# Altium PCB PCB2.PcbDoc
Units mil, origin at the board's own origin, x right, y up, seen from the top; angles counter-clockwise.
Board outline 2125 x 1100 mil, 2 copper layers (Top Layer, Bottom Layer); 11 components, 11 nets, 38 pads, 0 vias.
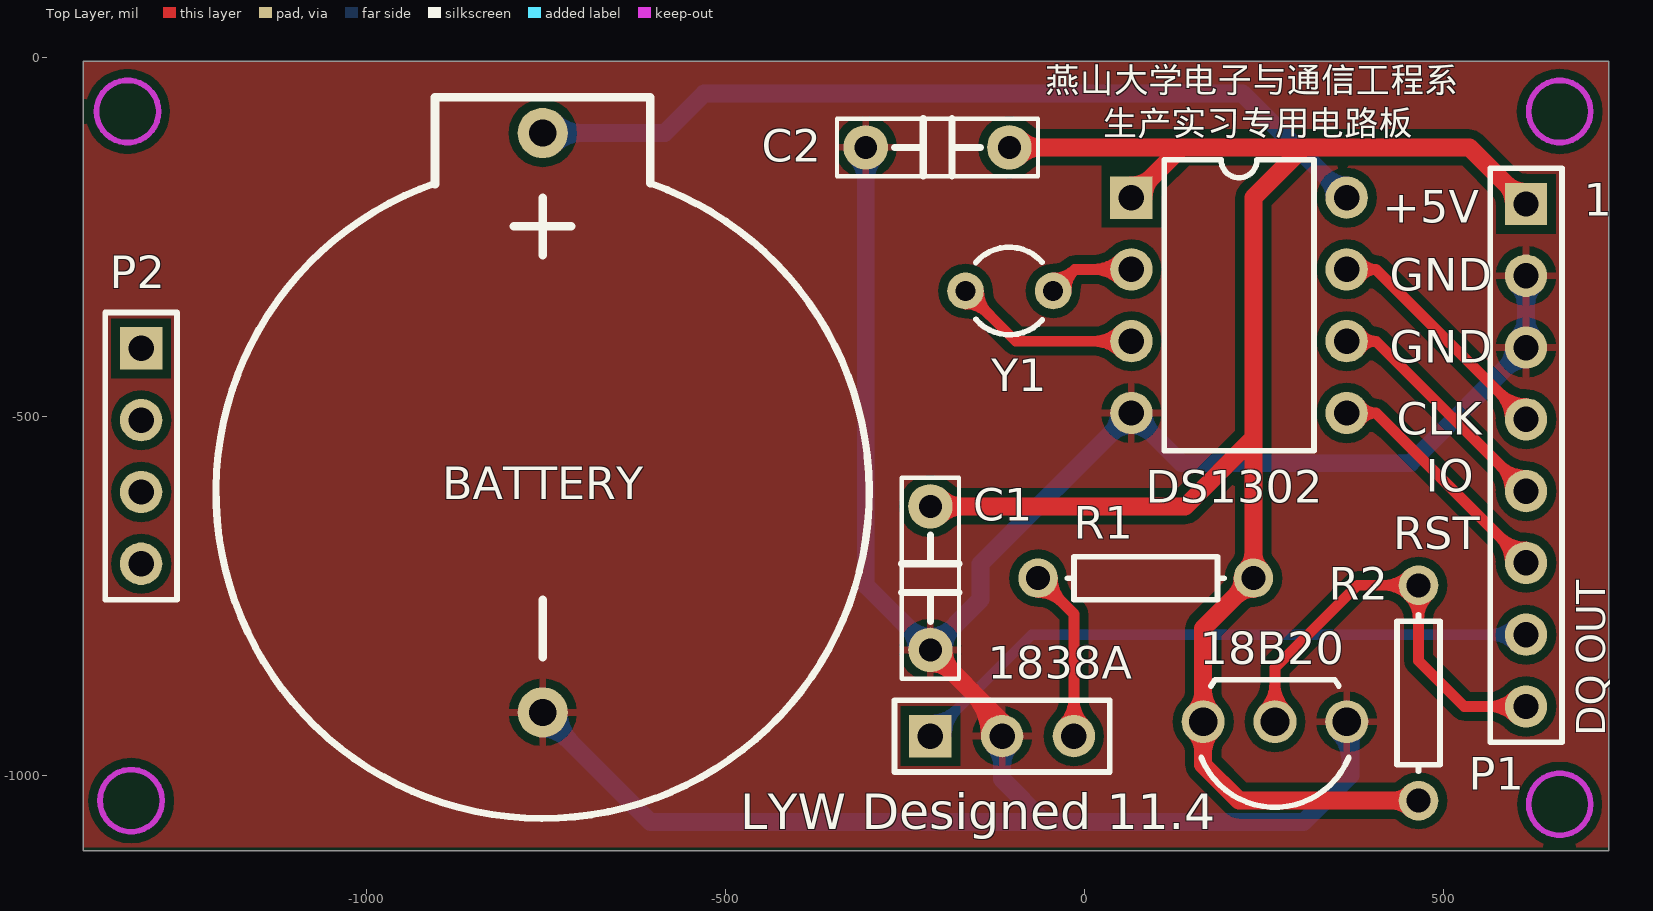
[diagram p0: Top Layer view]
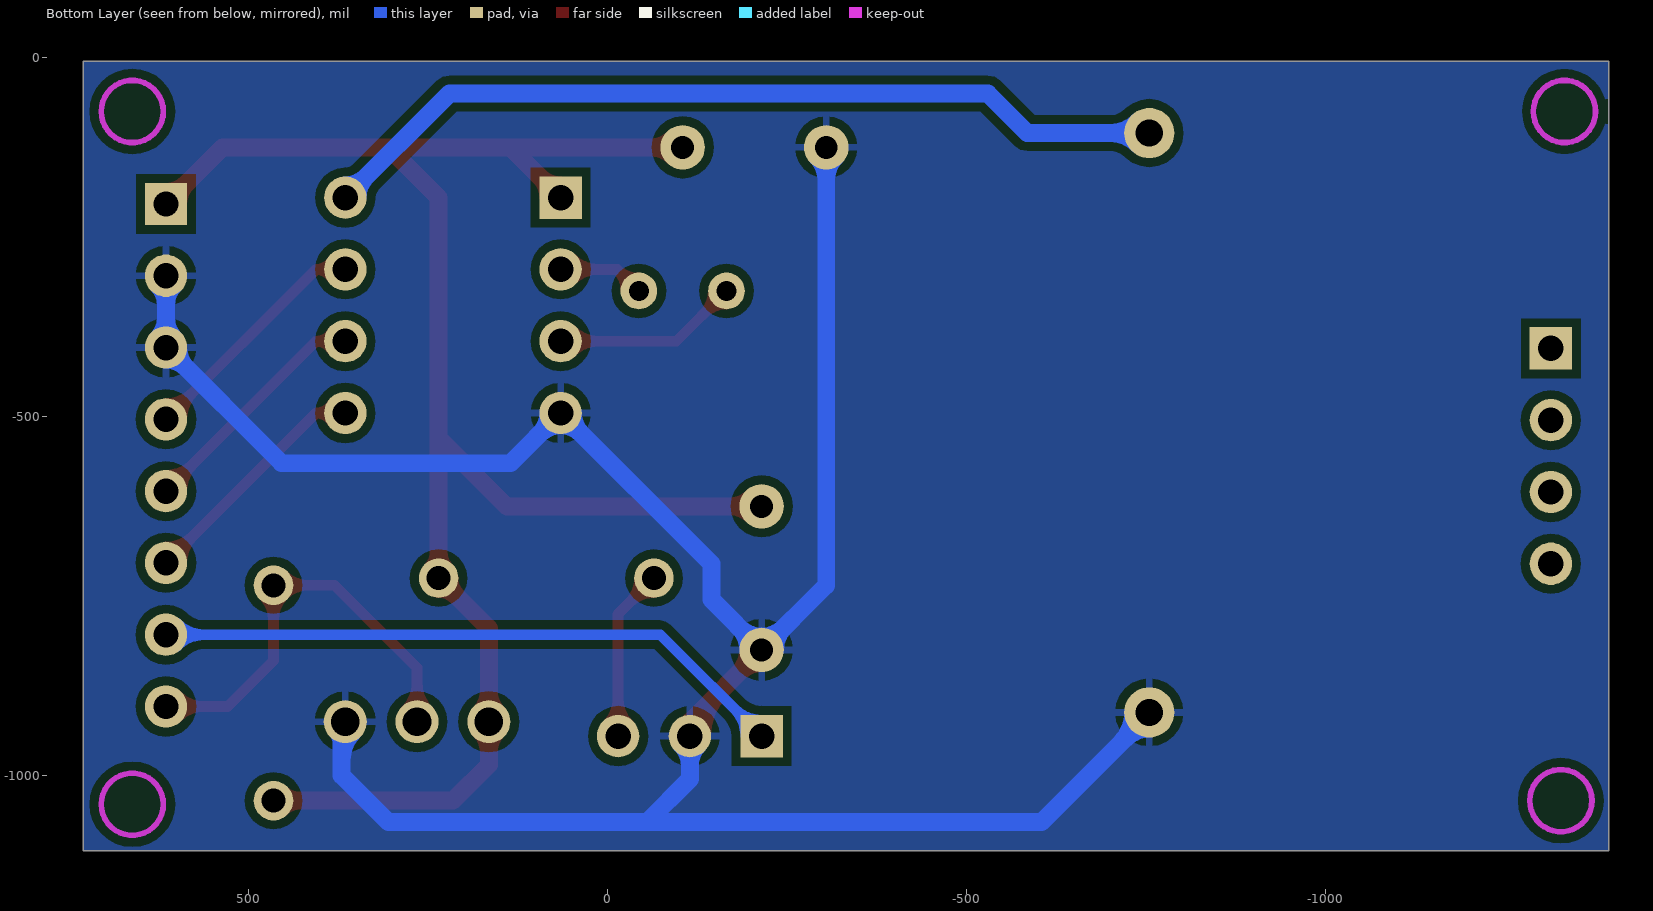
[diagram p1: Bottom Layer view, seen from below]

## Layer stack, top to bottom
Top Layer: signal copper 1.4
Dielectric: dielectric 12.6, FR-4, Dk 4.8
Bottom Layer: signal copper 1.4

## Board outline
-1395,-1105 730,-1105 730,-5 -1395,-5

## Design rules (kind name [scope] priority, off if disabled: settings)
Clearance [All] p1: gap=12
ComponentClearance [All] p1 off: gap=10 collisioncheckmode=3 verticalgap=10 showdistances=FALSE
PolygonConnect [All] p1: connectstyle=Relief reliefconductorwidth=10 reliefentries=4 polygonreliefangle="90 Angle"
RoomDefinition SHEET1 [InComponentClass('SHEET1')] p1 off: confinementstyle=ConfineIn formatcopy=TRUE lockcomponents=FALSE outline 865,-1025 1215,-1025 1215,-775 865,-775
RoutingVias [All] p1: holewidth=16 width=30 viastyle="Through Hole" minholewidth=16 minwidth=30 maxholewidth=28 maxwidth=50
SilkscreenOverComponentPads [All] p1: minsilkscreentomaskgap=1
SolderMaskExpansion [All] p1: expansion=4
TestPointUsage FabricationTestPointUsage [All] p1: valid=0 allowmultiple=FALSE
Testpoint FabricationTestpoint [All] p1: side=3 testpointundercomponent=TRUE minsize=40 maxsize=100 preferedsize=60 minholesize=0 maxholesize=40 preferedholesize=32 testpointgrid=1 style=297 order=0123456789
Width Width_1 [InNet('GND')] p1: maxlimit=25 minlimit=10 preferedwidth=25
Width [All] p2: maxlimit=50 minlimit=15 preferedwidth=15
22 further rules are at their usual default settings.

## Components (designator, comment, footprint, x,y, rotation, side; value= is the part's Value field where it differs from the comment)
18B20 "DALLAS IC" TO92C 365,-925 r270 top (schematic designator DS18B20)
1838A "TL1838A" DIP3_HT -215,-945 r0 top (schematic designator TL1838A)
BATTERY "3.6V" POW1_HT -755,-505 r90 top (schematic designator battery)
C1 "CAP" CAP2A_DQ -215,-625 r270 top
C2 "CAP" CAP2A_DQ -105,-125 r180 top
DS1302 "DS1302N" DIP8 215,-345 r270 top
P1 "Header 8" HDR1X8 614.76,-203.82 r270 top
P2 "Header 4" HDR1X4 -1314.37,-405 r270 top
R1 "Resister" AXIAL-0.3 85,-725 r180 top
R2 "Resister" AXIAL-0.3 465,-885 r270 top
Y1 "32.768KHz" BCY-W2/D3.1 -105,-325 r270 top

## Footprints (in the part's own frame and the unit in brackets; to place one, negate y for a bottom-side part, rotate by r counter-clockwise, add the part's x,y. Pads: shape width x height; smd on the part's side, far side on the other; paste and mask are expansions set on the pad)
AXIAL-0.3 [mm] "Axial Device, Thru-Hole; 2 Leads; 0.3 in Pin Spacing"
  round 1.4 hole 0.85: 1(-3.81,0) 2(3.81,0)
  silkscreen extent -2.77,-0.76 2.77,0.76
BCY-W2/D3.1 [mm] "Crystal, Thru-Hole; 2 Leads; Body 3.1 x 8.2 mm (Dia.xH)"
  round 1.3 hole 0.7: 1(0,1.55) 2(0,-1.55)
  silkscreen extent -1.55,-1.19 1.55,1.17
CAP2A_DQ [mil]
  round 62 hole 32: 1(0,0) 2(200,0)
  silkscreen extent -40,-40 240,40
DIP3_HT [mm]
  rect 1.5x1.5 hole 0.9: 1(0,0)
  round 1.5 hole 0.9: 2(2.54,0) 3(5.08,0)
  silkscreen extent -1.27,-1.27 6.35,1.27
DIP8 [mm] "DIP; 8 Leads; Row Spacing 7.62 mm; Pitch 2.54 mm"
  rect 1.5x1.5 hole 0.9: 1(-3.81,-3.81)
  round 1.5 hole 0.9: 2(-1.27,-3.81) 3(1.27,-3.81) 4(3.81,-3.81) 5(3.81,3.81) 6(1.27,3.81) 7(-1.27,3.81) 8(-3.81,3.81)
  silkscreen extent -5.15,-2.65 5.15,2.65
HDR1X4 [mm] "Connector; Header; 4 Position"
  rect 1.5x1.5 hole 0.9: 1(0,0)
  round 1.5 hole 0.9: 2(2.54,0) 3(5.08,0) 4(7.62,0)
  silkscreen extent -1.27,-1.27 8.89,1.27
HDR1X8 [mm] "Connector; Header; 8 Position"
  rect 1.5x1.5 hole 0.9: 1(0,0)
  round 1.5 hole 0.9: 2(2.54,0) 3(5.08,0) 4(7.62,0) 5(10.16,0) 6(12.7,0) 7(15.24,0) 8(17.78,0)
  silkscreen extent -1.27,-1.27 19.05,1.27
POW1_HT [mil]
  round 70 hole 38: 1(400,0) 2(-407.09,0)
  silkscreen extent -555,-455 450,455
TO92C [mil]
  round 60 hole 40: 1(0,0) 2(0,-100) 3(0,-200)
  silkscreen extent -58,-203 119,3

## Part data
18B20: library part DS18B20
BATTERY: library part BATTERY
C1 C2: library part CAP0805, "CAP with C0805 footprint"
DS1302: "Trickle Charge Timekeeping Chip"
P1: "Header, 8-Pin"
P2: "支撑作用"
R1 R2: "Resister with c0805 footprint"
Y1: library part 12MHZ, "Crystal Oscillator"

## Nets (pads, with @x,y where several pads share a name; then routed paths per layer and width w, separated by ;. In a path a pad name is that pad's centre, name@x,y a point inside that pad or via, vN(x,y) a via of type N, cw(c..) or ccw(c..) an arc to the next point about the centre after c; other vN are vias at no path point)
DQ: 18B20.2 P1.8 R2.1 | length 943.9
  Top Layer w15: 18B20.2@249.09,-909.09 ccw(c210.68,-870.68) 265,-870.68 ccw(c319.32,-870.68) 18B20.2@280.91,-909.09 ; 18B20.2 265,-850 380,-735 R2.1 465,-840 528.82,-903.82 P1.8 P1.8@614.76,-884.76 ; R2.1@450.82,-720.82 cw(c416.57,-686.57) 416.57,-735 cw(c416.57,-783.43) 450.82,-749.18 cw(c416.57,-783.43) 465,-783.43 cw(c513.43,-783.43) R2.1@479.18,-749.18 ; P1.8@599.18,-919.39 ccw(c561.58,-957) 561.58,-903.82 ccw(c561.58,-850.64) P1.8@599.18,-888.24
GND: 18B20.1 1838A.2 BATTERY.2 C1.2 C2.2 DS1302.4 P1.2 P1.3 | length 4417.4
  Top Layer w25: C1.2@-215,-843.5 cw(c-215,-888.16) -183.42,-856.58 cw(c-151.84,-825) C1.2@-196.5,-825 ; C1.2 -115,-925 1838A.2 ; -158.21,-881.79 cw(c-221.42,-945) 1838A.2@-132.03,-945
  Bottom Layer w25: BATTERY.2@-755,-934.59 cw(c-755,-981.87) -721.56,-948.44 ; BATTERY.2@-755,-915 -605,-1065 -55,-1065 ; BATTERY.2@-732.5,-912.09 ccw(c-671.15,-912.09) -714.53,-955.47 ; C2.2@-318.08,-138.08 cw(c-349.66,-169.66) -305,-169.66 cw(c-260.34,-169.66) C2.2@-291.92,-138.08 ; C2.2 -305,-735 C1.2 -145,-755 -145,-705 DS1302.4 135,-565 453.58,-565 P1.3 ; C1.2@-233.5,-825 ccw(c-278.16,-825) -246.58,-793.42 ccw(c-215,-761.84) -215,-806.5 ccw(c-215,-761.84) -183.42,-793.42 ccw(c-151.84,-825) C1.2@-196.5,-825 ; 1838A.2@-127.04,-957.04 cw(c-156.11,-986.11) -115,-986.11 cw(c-73.89,-986.11) 1838A.2@-102.96,-957.04 ; 1838A.2 -115,-1005 -55,-1065 ; DS1302.4@47.97,-495 cw(c6.86,-495) 35.93,-524.07 cw(c65,-553.14) 65,-512.03 cw(c65,-553.14) 94.07,-524.07 cw(c123.14,-495) DS1302.4@82.03,-495 ; 300,-1065 -55,-1065 ; 305,-1065 370,-1000 18B20.1@370,-925 ; 18B20.1@352.63,-937.37 cw(c310.68,-979.32) 370,-979.32 ; 370,-955.18 cw(c395.18,-955.18) 18B20.1@377.37,-937.37 ; P1.3@597.73,-403.82 cw(c556.63,-403.82) 585.69,-432.89 cw(c614.76,-461.95) P1.3@614.76,-420.85 ; P1.3@602.72,-391.78 ccw(c573.65,-362.71) 614.76,-362.71 ccw(c655.87,-362.71) P1.3@626.8,-391.78 ; P1.2@602.72,-315.86 cw(c573.65,-344.93) 614.76,-344.93 cw(c655.87,-344.93) P1.2@626.8,-315.86 ; P1.2 P1.3 ; P1.3@620,-410 614.76,-404.76 P1.3
MCUIO: DS1302.6 P1.5 | length 473.2
  Top Layer w15: DS1302.6 405.94,-395 ; DS1302.6@383.38,-407.14 cw(c405.94,-422.03) 405.94,-395 ; DS1302.6@383.38,-382.86 ccw(c405.94,-367.97) 405.94,-395 ; P1.5@592.73,-603.82 ccw(c539.55,-603.82) 577.16,-566.22 ccw(c614.76,-528.61) P1.5@614.76,-581.79 ; P1.5 405.94,-395
NetR1_2: 1838A.3 R1.2 | length 400.3
  Top Layer w15: R1.2@-65,-745.06 cw(c-65,-793.49) -30.76,-759.24 cw(c3.49,-725) R1.2@-44.94,-725 ; R1.2 -15,-775 1838A.3 ; 1838A.3@-30.58,-929.42 ccw(c-68.18,-891.82) -15,-891.82 ccw(c38.18,-891.82) 1838A.3@0.58,-929.42
OUT: 1838A.1 P1.7 | length 1055.3
  Bottom Layer w15: 1838A.1 -73.82,-803.82 -25,-803.82 P1.7 ; 1838A.1@-215,-922.97 ccw(c-215,-869.79) -177.4,-907.4 ccw(c-139.79,-945) 1838A.1@-192.97,-945 ; P1.7@599.18,-819.39 ccw(c561.58,-857) 561.58,-803.82 ccw(c561.58,-750.64) P1.7@599.18,-788.24
RST: DS1302.5 P1.6 | length 473.2
  Top Layer w15: DS1302.5 405.94,-495 ; DS1302.5@383.38,-507.14 cw(c405.94,-522.03) 405.94,-495 ; DS1302.5@383.38,-482.86 ccw(c405.94,-467.97) 405.94,-495 ; P1.6@592.73,-703.82 ccw(c539.55,-703.82) 577.16,-666.22 ccw(c614.76,-628.61) P1.6@614.76,-681.79 ; P1.6 405.94,-495
SCLK: DS1302.7 P1.4 | length 474.2
  Top Layer w15: DS1302.7 405.94,-295 ; DS1302.7@383.38,-307.14 cw(c405.94,-322.03) 405.94,-295 ; DS1302.7@383.38,-282.86 ccw(c405.94,-267.97) 405.94,-295 ; P1.4@592.73,-503.82 ccw(c539.55,-503.82) 577.16,-466.22 ccw(c614.76,-428.61) P1.4@614.76,-481.79 ; P1.4 405.94,-295
  Bottom Layer w12: P1.4@614.29,-504.29 P1.4@615,-505
VCC: 18B20.3 C1.1 C2.1 DS1302.1 P1.1 R1.1 R2.2 | length 3170
  Top Layer w25: C1.1 140,-625 235,-530 ; C1.1@-201.92,-638.08 cw(c-170.34,-669.66) -170.34,-625 cw(c-170.34,-580.34) C1.1@-201.92,-611.92 ; C2.1 135,-125 ; C2.1@-91.92,-138.08 cw(c-60.34,-169.66) -60.34,-125 cw(c-60.34,-80.34) C2.1@-91.92,-111.92 ; DS1302.1 135,-125 ; DS1302.1@65,-177.97 ccw(c65,-136.86) 94.07,-165.93 ccw(c123.14,-195) DS1302.1@82.03,-195 ; 18B20.3@152.63,-937.37 cw(c122.75,-967.25) 165,-967.25 cw(c207.25,-967.25) 18B20.3@177.37,-937.37 ; 18B20.3@152.63,-912.63 ccw(c122.75,-882.75) 165,-882.75 ccw(c207.25,-882.75) 18B20.3@177.37,-912.63 ; R1.1@219.94,-725 cw(c183.59,-725) 209.29,-750.71 cw(c235,-776.41) R1.1@235,-740.06 ; R1.1@224.35,-714.35 ccw(c198.64,-688.64) 235,-688.64 ccw(c271.36,-688.64) R1.1@245.65,-714.35 ; R2.2@454.35,-1045.65 ccw(c428.64,-1071.36) 428.64,-1035 ccw(c428.64,-998.64) R2.2@454.35,-1024.35 ; R2.2 215,-1035 165,-985 18B20.3 165,-795 R1.1 235,-530 ; P1.1@597.73,-203.82 ccw(c556.63,-203.82) 585.69,-174.75 ccw(c614.76,-145.68) P1.1@614.76,-186.79 ; P1.1 535.94,-125 305,-125 ; 135,-125 305,-125 ; 235,-530 235,-195 305,-125
  Bottom Layer w25: C2.1 C2.1@-100,-120 ; R1.1 R1.1@245,-725
VCCBK: BATTERY.1 DS1302.8 | length 1352.7
  Bottom Layer w25: BATTERY.1 -585,-105 -530,-50 220,-50 DS1302.8 ; BATTERY.1@-739.09,-120.91 cw(c-700.68,-159.32) -700.68,-105 cw(c-700.68,-50.68) BATTERY.1@-739.09,-89.09 ; DS1302.8@347.97,-195 ccw(c306.86,-195) 335.93,-165.93 ccw(c365,-136.86) DS1302.8@365,-177.97
X1: DS1302.2 Y1.1 | length 270.6
  Top Layer w15: Y1.1 -13.98,-295 ; Y1.1@-43.6,-306.91 ccw(c-42.76,-266.22) -13.98,-295 ; Y1.1@-25.89,-324.62 cw(c14.8,-323.78) -13.98,-295 ; DS1302.2@49.42,-310.58 ccw(c11.82,-348.18) 11.82,-295 ccw(c11.82,-241.82) DS1302.2@49.42,-279.42 ; DS1302.2 -13.98,-295
X2: DS1302.3 Y1.2 | length 416.1
  Top Layer w15: Y1.2@-166.02,-343.09 cw(c-166.02,-386.76) -135.14,-355.88 cw(c-104.26,-325) Y1.2@-147.93,-325 ; Y1.2 -96.02,-395 DS1302.3 ; DS1302.3@49.42,-410.58 ccw(c11.82,-448.18) 11.82,-395 ccw(c11.82,-341.82) DS1302.3@49.42,-379.42
  Bottom Layer w15: Y1.2@-166.02,-328.98 Y1.2
pads on no net: P2.1 P2.2 P2.3 P2.4

## Polygon pours and split planes (outlines as drawn)
GND on Top Layer "Top Layer-No Net" (solid, remove dead copper, pour order 1000): -1395,-5 -1395,-1100 730,-1100 730,-5
GND on Bottom Layer "Top Layer-No Net" (solid, remove dead copper, pour order 1001): -1395,-5 -1395,-1105 730,-1105 730,-5

## Keep-outs
Keep-Out Layer:
  circle w7.87: c661.69,-75 r43.31
  circle w7.87: c661.69,-1040 r43.31
  circle w7.87: c-1328.31,-1035 r43.31
  circle w7.87: c-1333.31,-75 r43.31

## Silkscreen, mask and mechanical layers (free items; w line width, h text height)
Top Overlay:
  text "燕山大学电子与通信工程系" at -55,-60 h60
  text "生产实习专用电路板" at 25,-120 h60
  text "1" at 695,-220 h45
  text "+5V" at 415,-230 h45
  text "GND" at 425,-325 h45
  text "GND" at 425,-425 h45
  text "CLK" at 435,-525 h45
  text "IO" at 475,-605 h45
  text "RST" at 430,-685 h45
  text "OUT" at 725,-845 h40 r90
  text "DQ" at 725,-945 h40 r90
  text "LYW Designed 11.4" at -480,-1075 h50
Mechanical 1:
  lines w10: -1400,-1105 -1400,-2.64 735,-2.64 735,-1105 -1400,-1105